# Altium PCB Ethernet2MilProtocolAdapter.PcbDoc (part 1 of 3) (continued)
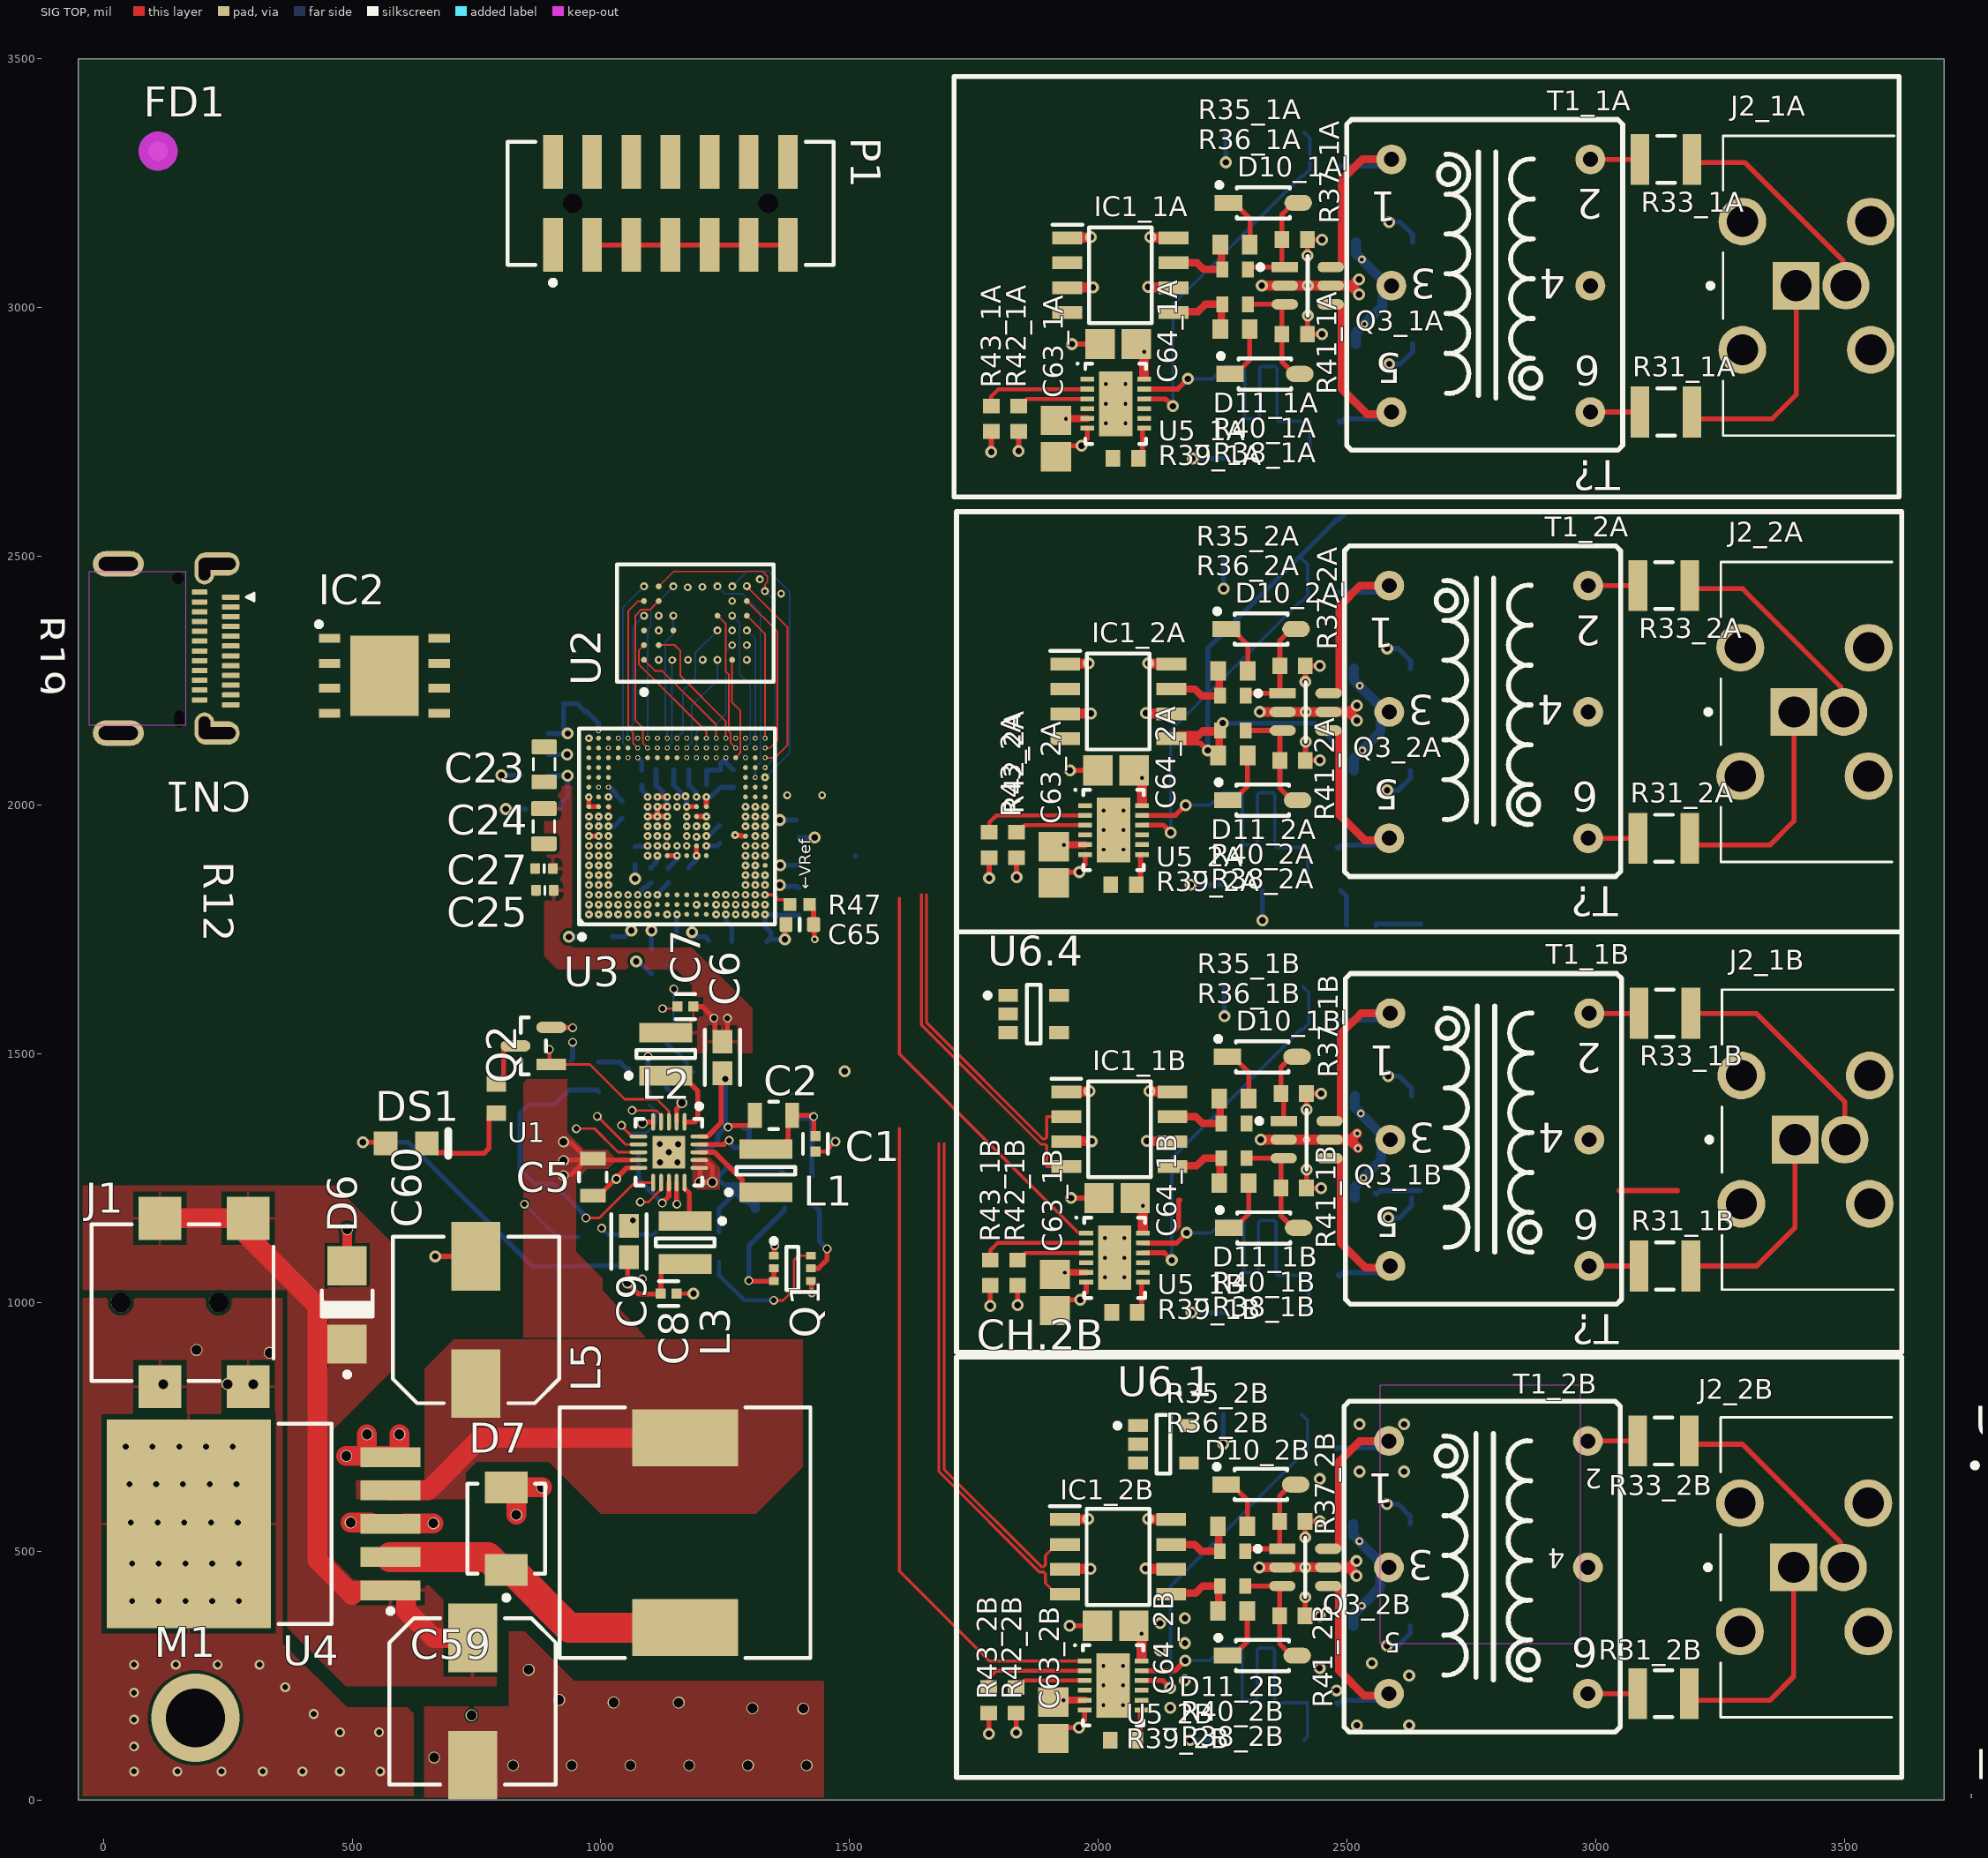
[diagram p0: SIG TOP view]
## Components (designator, comment, footprint, x,y, rotation, side; value= is the part's Value field where it differs from the comment) (continued)
C53 "Capacitor 4.7µF +/-20% 10V 0603" CAPC0603(1608)100_L 996.24,1735.1 r180 bottom value=4.7µF
C54 "Capacitor 4.7µF +/-20% 10V 0603" CAPC0603(1608)100_L 1102.14,1689.79 r270 bottom value=4.7µF
C55 "Capacitor 470nF +/-40% 10V 0402" CAPC0402(1005)60_L 1194.94,1844.21 r0 bottom value=470nF
C56 "Capacitor 470nF +/-40% 10V 0402" CAPC0402(1005)60_L 1068.6,1898.46 r90 bottom value=470nF
C57 "Capacitor 470nF +/-40% 10V 0402" CAPC0402(1005)60_L 1118.24,1844.54 r180 bottom value=470nF
C58 "Capacitor 470nF +/-40% 10V 0402" CAPC0402(1005)60_L 1118.19,1873.2 r180 bottom value=470nF
C59 "UUD1V101MNL1GS" NIC-CAPA2-8X10_V 742.28,197.72 r270 top
C60 "UUD0J102MNL1GS" NIC-CAPA2-8X10_V 748.99,964.82 r90 top
C61_1A "12105C335KAT2A" CAPC3325X279X50NL40T25 2575,3131.99 r180 bottom value=3.3µF (schematic designator C61)
C61_1B "12105C335KAT2A" CAPC3325X279X50NL40T25 2572.83,1415 r180 bottom value=3.3µF (schematic designator C61)
C61_2A "12105C335KAT2A" CAPC3325X279X50NL40T25 2570.68,2275 r180 bottom value=3.3µF (schematic designator C61)
C61_2B "12105C335KAT2A" CAPC3325X279X50NL40T25 2570,555 r180 bottom value=3.3µF (schematic designator C61)
C62_1A "12105C335KAT2A" CAPC3325X279X50NL40T25 2575,2926.99 r180 bottom value=3.3µF (schematic designator C62)
C62_1B "12105C335KAT2A" CAPC3325X279X50NL40T25 2572.83,1210 r180 bottom value=3.3µF (schematic designator C62)
C62_2A "12105C335KAT2A" CAPC3325X279X50NL40T25 2570.68,2070 r180 bottom value=3.3µF (schematic designator C62)
C62_2B "12105C335KAT2A" CAPC3325X279X50NL40T25 2570,350 r180 bottom value=3.3µF (schematic designator C62)
C63_1A "VJ0805Y104JXXAT" CAPC2013X145X48ML20T23 1915,2736.99 r90 top value=100nF (schematic designator C63)
C63_1B "VJ0805Y104JXXAT" CAPC2013X145X48ML20T23 1912.83,1020 r90 top value=100nF (schematic designator C63)
C63_2A "VJ0805Y104JXXAT" CAPC2013X145X48ML20T23 1910.68,1880 r90 top value=100nF (schematic designator C63)
C63_2B "VJ0805Y104JXXAT" CAPC2013X145X48ML20T23 1910,160 r90 top value=100nF (schematic designator C63)
C64_1A "VJ0805Y104JXXAT" CAPC2013X145X48ML20T23 2040,2926.99 r0 top value=100nF (schematic designator C64)
C64_1B "VJ0805Y104JXXAT" CAPC2013X145X48ML20T23 2037.83,1210 r0 top value=100nF (schematic designator C64)
C64_2A "VJ0805Y104JXXAT" CAPC2013X145X48ML20T23 2035.68,2070 r0 top value=100nF (schematic designator C64)
C64_2B "VJ0805Y104JXXAT" CAPC2013X145X48ML20T23 2035,350 r0 top value=100nF (schematic designator C64)
C65 "Capacitor 4.7µF +/-20% 10V 0603" CAPC0603(1608)100_L 1400,1760 r180 top value=4.7µF
CN1 "DX07S024JJ3R1300" JAE-DX07S024JJ3_V 150,2315 r270 top
D1 "1SMB5913BT3G" ONSC-SMB-2-403A-03_H_V 6160,1885 r0 top
D2 "1SMB5913BT3G" ONSC-SMB-2-403A-03_H_V 6480,1885 r0 top
D3 "1SMB5913BT3G" ONSC-SMB-2-403A-03_H_V 6800,1885 r0 top
D4 "1SMB5913BT3G" ONSC-SMB-2-403A-03_H_V 7120,1885 r0 top
D5 "HSMG-C191" FP-HSMG-C191-MFG 8660,1835 r0 top
D6 "1SMA5927BT3G" ONSC-SMA-2-403D-02_F_V 490,995 r90 top
D7 "STPS3L60U" FP-SMB-MFG 810,545 r90 top
D8_1A "SZ1SMA5932BT3G" ONSC-SMA-2-403D-02_F_V 2340,2696.99 r180 bottom (schematic designator D8)
D8_1B "SZ1SMA5932BT3G" ONSC-SMA-2-403D-02_F_V 2337.83,980 r180 bottom (schematic designator D8)
D8_2A "SZ1SMA5932BT3G" ONSC-SMA-2-403D-02_F_V 2335.68,1840 r180 bottom (schematic designator D8)
D8_2B "SZ1SMA5932BT3G" ONSC-SMA-2-403D-02_F_V 2335,120 r180 bottom (schematic designator D8)
D9_1A "SZ1SMA5932BT3G" ONSC-SMA-2-403D-02_F_V 2335,3351.99 r180 bottom (schematic designator D9)
D9_1B "SZ1SMA5932BT3G" ONSC-SMA-2-403D-02_F_V 2332.83,1635 r180 bottom (schematic designator D9)
D9_2A "SZ1SMA5932BT3G" ONSC-SMA-2-403D-02_F_V 2330.68,2495 r180 bottom (schematic designator D9)
D9_2B "SZ1SMA5932BT3G" ONSC-SMA-2-403D-02_F_V 2330,775 r180 bottom (schematic designator D9)
D10_1A "MBR0520LT1G" FP-425-04-IPC_A 2331.85,3210.99 r0 top (schematic designator D10)
D10_1B "MBR0520LT1G" FP-425-04-IPC_A 2329.68,1494 r0 top (schematic designator D10)
D10_2A "MBR0520LT1G" FP-425-04-IPC_A 2327.53,2354 r0 top (schematic designator D10)
D10_2B "MBR0520LT1G" FP-425-04-IPC_A 2326.85,634 r0 top (schematic designator D10)
D11_1A "MBR0520LT1G" FP-425-04-IPC_A 2335,2866.99 r0 top (schematic designator D11)
D11_1B "MBR0520LT1G" FP-425-04-IPC_A 2332.83,1150 r0 top (schematic designator D11)
D11_2A "MBR0520LT1G" FP-425-04-IPC_A 2330.68,2010 r0 top (schematic designator D11)
D11_2B "MBR0520LT1G" FP-425-04-IPC_A 2330,290 r0 top (schematic designator D11)
DS1 "HSMG-C170" AVAG-HSMX-C170_V 608.66,1320 r0 top
FD1 "FID1X2R" FID1X2R 110,3315 r0 top
IC1_1A "UCC27624DR" SOIC127P600X175-8N 2044.69,3065.42 r0 top (schematic designator IC1)
IC1_1B "UCC27624DR" SOIC127P600X175-8N 2042.52,1348.43 r0 top (schematic designator IC1)
IC1_2A "UCC27624DR" SOIC127P600X175-8N 2040.36,2208.43 r0 top (schematic designator IC1)
IC1_2B "UCC27624DR" SOIC127P600X175-8N 2039.69,488.43 r0 top (schematic designator IC1)
IC2 "IS25LP032D-JKLE" SON127P600X500X80-9N-D 565,2260 r0 top
J1 "694102107102" 694102107102 159.01,1000 r270 top
J2_1A "CBBJR79A" CBBJR79A_MFG 3856,3044.39 r180 top (schematic designator J2)
J2_1B "CBBJR79A" CBBJR79A_MFG 3853.83,1327.4 r180 top (schematic designator J2)
J2_2A "CBBJR79A" CBBJR79A_MFG 3851.68,2187.4 r180 top (schematic designator J2)
J2_2B "CBBJR79A" CBBJR79A_MFG 3851,467.4 r180 top (schematic designator J2)
L1 "SRN3015-1R5Y" BOUR-SRN3015-2_V#1 1332.07,1264.79 r90 top
L2 "SRN3015-3R3M" BOUR-SRN3015-2_V#2 1130.88,1499.39 r90 top
L3 "SRN3015-2R2M" BOUR-SRN3015-2_V#1 1169.48,1120.65 r270 top
L4 "SRN3015-3R3M" BOUR-SRN3015-2_V#1 6725,1065 r0 top
L5 "SRR1280-330M" FP-SRR1280-MFG 1169.53,537.24 r90 top
M1 "Mount3mm" Mount3mm-Footprint-1 185,165 r0 top
NT1 "NetTieSMD_2Line" NetTieSMD_2Line-Footprint-1 6035,1005 r90 top net-tie
NT2 "NetTieSMD_2Line" NetTieSMD_2Line-Footprint-1 6035,5 r90 top net-tie
P1 "878321420" MOLX-878321420_V 1140,3210 r0 top
Q1 "SMBT3904DW1T1G" ONSC-SOT-363-6-419B-02_W_V 1385.16,1068.59 r0 top
Q2 "BSS138" FP-318-08-IPC_B 864.49,1515.78 r180 top
Q3_1A "SI3932DV-T1-GE3" FP-C-06593-6-IPC_B 2421.09,3044.39 r0 top (schematic designator Q3)
Q3_1B "SI3932DV-T1-GE3" FP-C-06593-6-IPC_B 2418.92,1327.4 r0 top (schematic designator Q3)
Q3_2A "SI3932DV-T1-GE3" FP-C-06593-6-IPC_B 2416.76,2187.4 r0 top (schematic designator Q3)
Q3_2B "SI3932DV-T1-GE3" FP-C-06593-6-IPC_B 2416.09,467.4 r0 top (schematic designator Q3)
R1 "ERJ-3GEYJ303V" RESC1608X55X30LL15T15#1 1381.45,1394.72 r270 bottom
R2 "ERJ1GNF1203C" RESC0603X26X15LL03T05 375,1650.83 r90 bottom
R3 "RK73H1JTTD1503F" RESC1608X55X30LL20T10 1522.7,1799.42 r90 bottom
R4 "ERJ1GNF1203C" RESC0603X26X15LL03T05 1097.01,1408.79 r90 bottom
R5 "ERJ-3GEYJ184V" RESC1608X55X30ML15T15 1040.03,1107.63 r270 bottom
R6 "ERJ-3EKF5762V" RESC1608X55X30ML15T15 1485,1361.46 r90 bottom
R7 "RC0603JR-070RL" RESC1608X55X25ML10T15 1340,1190 r180 bottom
R8 "RC0603JR-070RL" RESC1608X55X25ML10T15 1237.36,1112.54 r90 bottom
R9 "RC0603JR-070RL" RESC1608X55X25ML10T15 995.37,1453.9 r270 bottom
R10 "RC0603JR-070RL" RESC1608X55X25NL10T15 1130.8,1491.73 r270 bottom
R11 "RC0603JR-070RL" RESC1608X55X25ML10T15 954.57,1102.3 r90 bottom
R12 "RC0603JR-070RL" RESC1608X55X25ML10T15 790,1410 r90 top
R13 "RC0603JR-070RL" RESC1608X55X25ML10T15 940.18,1456.84 r90 bottom
R14 "RC0603JR-070RL" RESC1608X55X25NL10T15 665,1555 r270 bottom
R15 "RC0603JR-070RL" RESC1608X55X25ML10T15 1425,1225 r90 bottom
R16 "RC0603FR-0749R9L" RESC1608X55X25NL10T15 6475,1535 r0 top value="49.9 Ω"
R17 "ERJ-3EKF4701V" RESC1608X55X30LL15T15#2 -231.59,2297.23 r90 top value=4.7k
R18 "ERJ-3EKF4701V" RESC1608X55X30LL15T15#2 -410,1740 r90 top value=4.7k
R19 "ERJ-3EKF2200V" RESC1608X55X30LL15T15#2 -215.08,2366.3 r0 top
R20 "ERJ-3EKF1000V" RESC1608X55X30LL15T15#1 10380,1845 r90 top value="100 Ω"
R21 "ERJ-3EKF4701V" RESC1608X55X30LL15T15#2 6725,1305 r90 top value=4.7k
R22 "ERJ-3EKF4701V" RESC1608X55X30LL15T15#2 6945,1305 r90 top value=4.7k
R23 "ERJ-3EKF4701V" RESC1608X55X30LL15T15#2 7165,1305 r90 top value=4.7k
R24 "ERJ-3EKF1000V" RESC1608X55X30LL15T15#1 11465,1845 r90 top value="100 Ω"
R25 "ERJ-3EKF1000V" RESC1608X55X30LL15T15#1 11695,1845 r90 top value="100 Ω"
R26 "ERJ-3EKF1000V" RESC1608X55X30LL15T15#1 9690,1845 r90 top value="100 Ω"
R27 "ERJ-3EKF1000V" RESC1608X55X30LL15T15#1 6495,1305 r90 top
R28 "ERJ-3EKF4701V" RESC1608X55X30LL15T15#2 6055,1305 r90 top value=4.7k
R29 "ERJ-3EKF4701V" RESC1608X55X30LL15T15#2 6265,1305 r90 top value=4.7k
R30 "ERJ-3EKF4701V" RESC1608X55X30LL15T15#2 11075,1850 r90 top value=4.7k
R31_1A "RES_0.75ohm_1W _1210" RESC3125X70X40LL20T20 3141.32,2790.39 r0 top value=0.75 (schematic designator R31)
R31_1B "RES_0.75ohm_1W _1210" RESC3125X70X40LL20T20 3139.16,1073.4 r0 top value=0.75 (schematic designator R31)
R31_2A "RES_0.75ohm_1W _1210" RESC3125X70X40LL20T20 3137,1933.4 r0 top value=0.75 (schematic designator R31)
R31_2B "RES_0.75ohm_1W _1210" RESC3125X70X40LL20T20 3136.32,213.4 r0 top value=0.75 (schematic designator R31)
R32_1A "Resistor 0R +/- 5% 0603 100 mW" RESC1608X55X25ML10T15 2455,2771.99 r0 bottom value=0 (schematic designator R32)
R32_1B "Resistor 0R +/- 5% 0603 100 mW" RESC1608X55X25ML10T15 2452.83,1055 r0 bottom value=0 (schematic designator R32)
R32_2A "Resistor 0R +/- 5% 0603 100 mW" RESC1608X55X25ML10T15 2450.68,1915 r0 bottom value=0 (schematic designator R32)
R32_2B "Resistor 0R +/- 5% 0603 100 mW" RESC1608X55X25ML10T15 2450,195 r0 bottom value=0 (schematic designator R32)
R33_1A "RES_0.75ohm_1W _1210" RESC3125X70X40LL20T20 3141.32,3298.39 r0 top value=0.75 (schematic designator R33)
R33_1B "RES_0.75ohm_1W _1210" RESC3125X70X40LL20T20 3139.16,1581.4 r0 top value=0.75 (schematic designator R33)
R33_2A "RES_0.75ohm_1W _1210" RESC3125X70X40LL20T20 3137,2441.4 r0 top value=0.75 (schematic designator R33)
R33_2B "RES_0.75ohm_1W _1210" RESC3125X70X40LL20T20 3136.32,721.4 r0 top value=0.75 (schematic designator R33)
R34_1A "Resistor 0R +/- 5% 0603 100 mW" RESC1608X55X25ML10T15 2455,3281.99 r0 bottom value=0 (schematic designator R34)
R34_1B "Resistor 0R +/- 5% 0603 100 mW" RESC1608X55X25ML10T15 2452.83,1565 r0 bottom value=0 (schematic designator R34)
R34_2A "Resistor 0R +/- 5% 0603 100 mW" RESC1608X55X25ML10T15 2450.68,2425 r0 bottom value=0 (schematic designator R34)
R34_2B "Resistor 0R +/- 5% 0603 100 mW" RESC1608X55X25ML10T15 2450,705 r0 bottom value=0 (schematic designator R34)
R35_1A "Resistor 0R +/- 5% 0603 100 mW" RESC1608X55X25ML10T15 2275,3126.99 r0 top value=0 (schematic designator R35)
R35_1B "Resistor 0R +/- 5% 0603 100 mW" RESC1608X55X25ML10T15 2272.83,1410 r0 top value=0 (schematic designator R35)
R35_2A "Resistor 0R +/- 5% 0603 100 mW" RESC1608X55X25ML10T15 2270.68,2270 r0 top value=0 (schematic designator R35)
R35_2B "Resistor 0R +/- 5% 0603 100 mW" RESC1608X55X25ML10T15 2270,550 r0 top value=0 (schematic designator R35)
R36_1A "RC0603FR-0722RL" RESC1608X55X25LL10T15 2275,3076.99 r0 top value=22 (schematic designator R36)
R36_1B "RC0603FR-0722RL" RESC1608X55X25LL10T15 2272.83,1360 r0 top value=22 (schematic designator R36)
R36_2A "RC0603FR-0722RL" RESC1608X55X25LL10T15 2270.68,2220 r0 top value=22 (schematic designator R36)
R36_2B "RC0603FR-0722RL" RESC1608X55X25LL10T15 2270,500 r0 top value=22 (schematic designator R36)
R37_1A "ERJ-3EKF4701V" RESC1608X55X30LL15T15#2 2395,3136.99 r180 top value=4.7k (schematic designator R37)
R37_1B "ERJ-3EKF4701V" RESC1608X55X30LL15T15#2 2392.83,1420 r180 top value=4.7k (schematic designator R37)
R37_2A "ERJ-3EKF4701V" RESC1608X55X30LL15T15#2 2390.68,2280 r180 top value=4.7k (schematic designator R37)
R37_2B "ERJ-3EKF4701V" RESC1608X55X30LL15T15#2 2390,560 r180 top value=4.7k (schematic designator R37)
R38_1A "Resistor 0R +/- 5% 0603 100 mW" RESC1608X55X25ML10T15 2275,2956.99 r0 top value=0 (schematic designator R38)
R38_1B "Resistor 0R +/- 5% 0603 100 mW" RESC1608X55X25ML10T15 2272.83,1240 r0 top value=0 (schematic designator R38)
R38_2A "Resistor 0R +/- 5% 0603 100 mW" RESC1608X55X25ML10T15 2270.68,2100 r0 top value=0 (schematic designator R38)
R38_2B "Resistor 0R +/- 5% 0603 100 mW" RESC1608X55X25ML10T15 2270,380 r0 top value=0 (schematic designator R38)
R39_1A "ERJ-3EKF4701V" RESC1608X55X30LL15T15#2 2055,2696.99 r180 top value=4.7k (schematic designator R39)
R39_1B "ERJ-3EKF4701V" RESC1608X55X30LL15T15#2 2052.83,980 r180 top value=4.7k (schematic designator R39)
R39_2A "ERJ-3EKF4701V" RESC1608X55X30LL15T15#2 2050.68,1840 r180 top value=4.7k (schematic designator R39)
R39_2B "ERJ-3EKF4701V" RESC1608X55X30LL15T15#2 2050,120 r180 top value=4.7k (schematic designator R39)
R40_1A "RC0603FR-0722RL" RESC1608X55X25LL10T15 2275,3006.99 r0 top value=22 (schematic designator R40)
R40_1B "RC0603FR-0722RL" RESC1608X55X25LL10T15 2272.83,1290 r0 top value=22 (schematic designator R40)
R40_2A "RC0603FR-0722RL" RESC1608X55X25LL10T15 2270.68,2150 r0 top value=22 (schematic designator R40)
R40_2B "RC0603FR-0722RL" RESC1608X55X25LL10T15 2270,430 r0 top value=22 (schematic designator R40)
R41_1A "ERJ-3EKF4701V" RESC1608X55X30LL15T15#2 2395,2946.99 r180 top value=4.7k (schematic designator R41)
R41_1B "ERJ-3EKF4701V" RESC1608X55X30LL15T15#2 2392.83,1230 r180 top value=4.7k (schematic designator R41)
R41_2A "ERJ-3EKF4701V" RESC1608X55X30LL15T15#2 2390.68,2090 r180 top value=4.7k (schematic designator R41)
R41_2B "ERJ-3EKF4701V" RESC1608X55X30LL15T15#2 2390,370 r180 top value=4.7k (schematic designator R41)
R42_1A "ERJ-3EKF4701V" RESC1608X55X30LL15T15#2 1840,2776.99 r90 top value=4.7k (schematic designator R42)
R42_1B "ERJ-3EKF4701V" RESC1608X55X30LL15T15#2 1837.83,1060 r90 top value=4.7k (schematic designator R42)
R42_2A "ERJ-3EKF4701V" RESC1608X55X30LL15T15#2 1835.68,1920 r90 top value=4.7k (schematic designator R42)
R42_2B "ERJ-3EKF4701V" RESC1608X55X30LL15T15#2 1835,200 r90 top value=4.7k (schematic designator R42)
R43_1A "ERJ-3EKF4701V" RESC1608X55X30LL15T15#2 1785,2776.99 r270 top value=4.7k (schematic designator R43)
R43_1B "ERJ-3EKF4701V" RESC1608X55X30LL15T15#2 1782.83,1060 r270 top value=4.7k (schematic designator R43)
R43_2A "ERJ-3EKF4701V" RESC1608X55X30LL15T15#2 1780.68,1920 r270 top value=4.7k (schematic designator R43)
R43_2B "ERJ-3EKF4701V" RESC1608X55X30LL15T15#2 1780,200 r270 top value=4.7k (schematic designator R43)
R44 "ERA-2AEB470X" RESC1005X40X25LL10T10 -200,2091.73 r180 top value=47
R45 "ERA-2AEB470X" RESC1005X40X25LL10T10 -200,1631.73 r180 top value=47
R46 "ERA-2AEB470X" RESC1005X40X25LL10T10 -200,1861.73 r180 top value=47
R47 "NetTieSMD_2Line" NetTieSMD_2Line-Footprint-1 3755,5 r90 top net-tie
R47 "Resistor 1k +/-1% 0402 100 mW" RESC1005X40X25ML05T05 1400,1800 r180 top net-tie value="0 OOhm"
R49 "ERA-2AEB470X" RESC1005X40X25LL10T10 -200,1401.73 r180 top value=47
R50 "ERA-2AEB470X" RESC1005X40X25LL10T10 -200,961.73 r180 top value=47
R51 "ERA-2AEB470X" RESC1005X40X25LL10T10 -200,1191.73 r180 top value=47
R52 "ERA-2AEB470X" RESC1005X40X25LL10T10 -200,731.73 r180 top value=47
R53 "ERA-2AEB470X" RESC1005X40X25LL10T10 -200,271.73 r180 top value=47
R54 "ERA-2AEB470X" RESC1005X40X25LL10T10 -200,501.73 r180 top value=47
R55 "ERA-2AEB470X" RESC1005X40X25LL10T10 -200,41.73 r180 top value=47
R56 "ERA-2AEB470X" RESC1005X40X25LL10T10 6045,35 r90 top value=47
R57 "ERA-2AEB470X" RESC1005X40X25LL10T10 -200,-188.27 r180 top value=47
R58 "ERA-2AEB470X" RESC1005X40X25LL10T10 -200,271.73 r180 top value=47
R59 "ERA-2AEB470X" RESC1005X40X25LL10T10 6971.77,390 r90 top value=47
R60 "ERA-2AEB470X" RESC1005X40X25LL10T10 -200,-188.27 r180 top value=47
R61 "ERA-2AEB470X" RESC1005X40X25LL10T10 6045,35 r90 top value=47
T1_1A "Q1553-22" "New footprint 1" 2589.32,3298.39 r270 top (schematic designator T1)
T1_1B "Q1553-22" "New footprint 1" 2587.16,1581.4 r270 top (schematic designator T1)
T1_2A "Q1553-22" "New footprint 1" 2585,2441.4 r270 top (schematic designator T1)
T1_2B "Q1553-22" "New footprint 1" 2584.32,721.4 r270 top (schematic designator T1)
U1 "LTC3569EUD#TRPBF" LT-UD-20_M 1136.81,1302.08 r270 top
U2 "IS61WV5128BLL-10BLI" FP-IS61WV5128BLL-10BLI-IPC_A 1190.15,2366.01 r90 top
U3 "XC7A35T-1CPG236C" CPG236 1153.05,1957.45 r90 top locked
U4 "LM2576D2TR4-5G" ONSC-D2PAK-5-936A-02_V 320.97,555.05 r180 top
U5_1A "LTC2865IDE#PBF" LT-DE-UE-12_V 2035,2806.99 r0 top (schematic designator U5)
U5_1B "LTC2865IDE#PBF" LT-DE-UE-12_V 2032.83,1090 r0 top (schematic designator U5)
U5_2A "LTC2865IDE#PBF" LT-DE-UE-12_V 2030.68,1950 r0 top (schematic designator U5)
U5_2B "LTC2865IDE#PBF" LT-DE-UE-12_V 2030,230 r0 top (schematic designator U5)
U6.1 "MIC5504-3.3YM5-TR" FP-SOT23-5LD-PL-1-MFG 2131.18,715 r0 top (schematic designator U6)
U6.2 "MIC5504-3.3YM5-TR" FP-SOT23-5LD-PL-1-MFG 3990,265 r0 top (schematic designator U6)
U6.3 "MIC5504-3.3YM5-TR" FP-SOT23-5LD-PL-1-MFG 3855,635 r0 top (schematic designator U6)
U6.4 "MIC5504-3.3YM5-TR" FP-SOT23-5LD-PL-1-MFG 1870,1580 r0 top (schematic designator U6)
Y1 "ASDM1-12.000MHZ-LC-T" FP-ASDM-ASDMB-MFG 6655,1585 r0 top

## Footprints (in the part's own frame and the unit in brackets; to place one, negate y for a bottom-side part, rotate by r counter-clockwise, add the part's x,y. Pads: shape width x height; smd on the part's side, far side on the other; paste and mask are expansions set on the pad)
694102107102 [mm] "DC Power Jack Right Angled Low Profile SMT ?3.9 with 4 soldering pads & pegs"
  rect 2.2x2.2 smd: 1(-4.3,3.35) 1(-4.3,-1.15) 2(4.3,-1.15) 3(4.3,3.35)
  round 1 hole 1 unplated: MH1(0,1.85) MH2(0,-3.15)
  silkscreen extent -4,-4.65 4,4.65, body extent -4.9,-4.65 4.9,4.65, height 5.32
AVAG-HSMX-C170_V [mm] "SMD, 2-Leads, Body 2x1.25mm, Height 0.8mm"
  rect 1.2x1.2 smd: 1(-1.05,0) 2(1.05,0)
  silkscreen extent 2.15,-0.62 2.15,0.62, body extent -1,-0.63 1,0.63, height 0.8
BOUR-SRN3015-2_V#1 [mm] "SMD, 2-Leads, Body 3x3mm, Height 1.5mm"
  rect 1x2.7 smd: 1(-1.1,0) 2(1.1,0)
  silkscreen extent -1.22,-1.5 0.2,2.02, body extent -1.5,-1.5 1.5,1.5, height 1.5
BOUR-SRN3015-2_V#2 [mm] "SMD, 2-Leads, Body 3x3mm, Height 1.5mm"
  rect 1x2.7 smd: 1(-1.1,0)
  rect 1x2.7 smd paste-2539.97: 2(1.1,0)
  silkscreen extent -1.22,-1.5 0.2,2.02, body extent -1.5,-1.5 1.5,1.5, height 1.5
CAPC0402(1005)60_L [mm] "Chip Capacitor, Body 1.0x0.5mm, Height 0.6mm, IPC High Density"
  rrect25% 0.5x0.55 smd: 1(-0.45,0) 2(0.45,0)
  silkscreen extent 0,-0.2 0,0.2, body extent -0.5,-0.25 0.5,0.25, height 0.6
CAPC0603(1608)100_L [mm] "Chip Capacitor, Body 1.6x0.8mm, Height 1.0mm, IPC High Density"
  rrect25% 0.66x0.76 smd: 1(-0.7,0) 2(0.7,0)
  silkscreen extent 0,-0.3 0,0.3, body extent -0.8,-0.4 0.8,0.4, height 0.95
CAPC0805(2012)145_L [mm] "Chip Capacitor, Body 2.0x1.2mm, Height 1.45mm, IPC High Density"
  rrect25% 0.76x1.3 smd: 1(-0.9,0) 2(0.89,0)
  silkscreen extent -0.3,-0.55 0.3,0.55, body extent -1,-0.6 1,0.6, height 1.45
CAPC2013X145X48ML20T23 [mm] "Chip Capacitor, 2-Leads, Body 2.00x1.25mm, IPC Low Density"
  rect 1.5x1.55 smd: 1(-0.925,0) 2(0.925,0)
  body extent -1.1,-0.72 1.1,0.72, height 1.45
CAPC3325X279X50NL40T25 [mm] "Chip Capacitor, 2-Leads, Body 3.70x2.70mm, IPC Medium Density"
  rect 1.5x2.7 smd: 1(-1.45,0) 2(1.45,0)
  silkscreen extent -0.3,-1.25 0.3,1.25, body extent -1.85,-1.35 1.85,1.35, height 2.79
CBBJR79A_MFG [mil] "Recommended Land Pattern"
  rect 94.09x95.96 hole 62.5: 1(453,0)
  rrect100% 94.09x95.96 hole 62.5: 2(353,0)
  round 95.96 hole 62.5: 3(303,129) 4(561,129) 5(303,-129) 6(561,-129)
  silkscreen extent 256,-302 630,301, body extent -604,-305 613,305, height 10
CPG236 [mm] "BGA, 238-Ball, Body 10x10mm,Pitch 0.5mm"
  round 0.25 smd: A1(-4.5,4.5) A2(-4,4.5) A3(-3.5,4.5) A4(-3,4.5) A5(-2.5,4.5) A6(-2,4.5) A7(-1.5,4.5) A8(-1,4.5) A9(-0.5,4.5) A10(0,4.5) A11(0.5,4.5) A12(1,4.5) A13(1.5,4.5) A14(2,4.5) A15(2.5,4.5) A16(3,4.5) A17(3.5,4.5) A18(4,4.5) A19(4.5,4.5) B1(-4.5,4) B2(-4,4) B3(-3.5,4) B4(-3,4) B5(-2.5,4) B6(-2,4) B7(-1.5,4) B8(-1,4) B9(-0.5,4) B10(0,4) B11(0.5,4) B12(1,4) B13(1.5,4) B14(2,4) B15(2.5,4) B16(3,4) B17(3.5,4) B18(4,4) B19(4.5,4) C1(-4.5,3.5) C2(-4,3.5) C3(-3.5,3.5) C4(-3,3.5) C5(-2.5,3.5) C6(-2,3.5) C7(-1.5,3.5) C8(-1,3.5) C9(-0.5,3.5) C10(0,3.5) C11(0.5,3.5) C12(1,3.5) C13(1.5,3.5) C14(2,3.5) C15(2.5,3.5) C16(3,3.5) C17(3.5,3.5) C18(4,3.5) C19(4.5,3.5) D1(-4.5,3) D2(-4,3) D3(-3.5,3) D17(3.5,3) D18(4,3) D19(4.5,3) E1(-4.5,2.5) E2(-4,2.5) E3(-3.5,2.5) E17(3.5,2.5) E18(4,2.5) E19(4.5,2.5) F1(-4.5,2) F2(-4,2) F3(-3.5,2) F17(3.5,2) F18(4,2) F19(4.5,2) G1(-4.5,1.5) G2(-4,1.5) G3(-3.5,1.5) G7(-1.5,1.5) G8(-1,1.5) G9(-0.5,1.5) G10(0,1.5) G11(0.5,1.5) G12(1,1.5) G13(1.5,1.5) G17(3.5,1.5) G18(4,1.5) G19(4.5,1.5) H1(-4.5,1) H2(-4,1) H3(-3.5,1) H7(-1.5,1) H8(-1,1) H9(-0.5,1) H10(0,1) H11(0.5,1) H12(1,1) H13(1.5,1) H17(3.5,1) H18(4,1) H19(4.5,1) J1(-4.5,0.5) J2(-4,0.5) J3(-3.5,0.5) J7(-1.5,0.5) J8(-1,0.5) J9(-0.5,0.5) J10(0,0.5) J11(0.5,0.5) J12(1,0.5) J13(1.5,0.5) J17(3.5,0.5) J18(4,0.5) J19(4.5,0.5) K1(-4.5,0) K2(-4,0) K3(-3.5,0) K7(-1.5,0) K8(-1,0) K12(1,0) K13(1.5,0) K17(3.5,0) K18(4,0) K19(4.5,0) L1(-4.5,-0.5) L2(-4,-0.5) L3(-3.5,-0.5) L7(-1.5,-0.5) L8(-1,-0.5) L9(-0.5,-0.5) L10(0,-0.5) L11(0.5,-0.5) L12(1,-0.5) L13(1.5,-0.5) L17(3.5,-0.5) L18(4,-0.5) L19(4.5,-0.5) M1(-4.5,-1) M2(-4,-1) M3(-3.5,-1) M7(-1.5,-1) M8(-1,-1) M9(-0.5,-1) M10(0,-1) M11(0.5,-1) M12(1,-1) M13(1.5,-1) M17(3.5,-1) M18(4,-1) M19(4.5,-1) N1(-4.5,-1.5) N2(-4,-1.5) N3(-3.5,-1.5) N7(-1.5,-1.5) N8(-1,-1.5) N9(-0.5,-1.5) N10(0,-1.5) N11(0.5,-1.5) N12(1,-1.5) N13(1.5,-1.5) N17(3.5,-1.5) N18(4,-1.5) N19(4.5,-1.5) P1(-4.5,-2) P2(-4,-2) P3(-3.5,-2) P17(3.5,-2) P18(4,-2) P19(4.5,-2) R1(-4.5,-2.5) R2(-4,-2.5) R3(-3.5,-2.5) R17(3.5,-2.5) R18(4,-2.5) R19(4.5,-2.5) T1(-4.5,-3) T2(-4,-3) T3(-3.5,-3) T17(3.5,-3) T18(4,-3) T19(4.5,-3) U1(-4.5,-3.5) U2(-4,-3.5) U3(-3.5,-3.5) U4(-3,-3.5) U5(-2.5,-3.5) U6(-2,-3.5) U7(-1.5,-3.5) U8(-1,-3.5) U9(-0.5,-3.5) U10(0,-3.5) U11(0.5,-3.5) U12(1,-3.5) U13(1.5,-3.5) U14(2,-3.5) U15(2.5,-3.5) U16(3,-3.5) U17(3.5,-3.5) U18(4,-3.5) U19(4.5,-3.5) V1(-4.5,-4) V2(-4,-4) V3(-3.5,-4) V4(-3,-4) V5(-2.5,-4) V6(-2,-4) V7(-1.5,-4) V8(-1,-4) V9(-0.5,-4) V10(0,-4) V11(0.5,-4) V12(1,-4) V13(1.5,-4) V14(2,-4) V15(2.5,-4) V16(3,-4) V17(3.5,-4) V18(4,-4) V19(4.5,-4) W1(-4.5,-4.5) W2(-4,-4.5) W3(-3.5,-4.5) W4(-3,-4.5) W5(-2.5,-4.5) W6(-2,-4.5) W7(-1.5,-4.5) W8(-1,-4.5) W9(-0.5,-4.5) W10(0,-4.5) W11(0.5,-4.5) W12(1,-4.5) W13(1.5,-4.5) W14(2,-4.5) W15(2.5,-4.5) W16(3,-4.5) W17(3.5,-4.5) W18(4,-4.5) W19(4.5,-4.5)
  silkscreen extent -5.77,-5 5,5, body extent -5,-5 5,5, height 1.38
FID1X2R [mm] "Fiducial - Round 1x2mm"
  round 1 smd paste-0.5 mask+0.5: 0(0,0)
  SIG TOP keep-out circle w1: c0,0 r0.5
FP-318-08-IPC_B [mm]
  rect 1.524x0.578 smd paste+0 mask+0: 1(-0.91,0.95)
  rrect100% 1.524x0.578 smd paste+0 mask+0: 2(-0.91,-0.95) 3(0.91,0)
  silkscreen extent -0.65,-1.45 0.65,1.45, body extent -1.92,-1.7 1.92,1.7, height 0.25
FP-425-04-IPC_A [mm]
  rect 1.408x0.822 smd paste+0 mask+0: 1(-1.78,0)
  rrect100% 1.408x0.822 smd paste+0 mask+0: 2(1.78,0)
  silkscreen extent -2.37,-0.8 1.34,1.04, body extent -2.98,-1.3 2.98,1.3, height 0.25
FP-0603-L_1_6_0_1-W_0_8_0-MFG [mm]
  rect 0.7x0.7 smd paste+0 mask+0: 1(-0.7,0) 2(0.7,0)
  silkscreen extent -0.85,-0.75 0.85,0.75, body extent -1.15,-0.55 1.15,0.55, height 0.25
FP-ASDM-ASDMB-MFG [mm]
  rect 0.65x0.85 smd paste+0 mask+0: 1(-0.825,-0.775) 2(0.825,-0.775) 3(0.825,0.775) 4(-0.825,0.775)
  silkscreen extent -0.95,-1.9 0.13,1.02, body extent -1.38,-1.3 1.38,1.3, height 0.25
FP-C0402-BB-MFG [mm]
  rect 0.52x0.52 smd paste+0 mask+0: 1(-0.4,0) 2(0.4,0)
  silkscreen extent -0.5,-0.63 0.5,0.64, body extent -0.8,-0.4 0.8,0.4, height 0.25
FP-C-06593-6-IPC_B [mm]
  rect 1.348x0.526 smd paste+0 mask+0: 1(-1.171,0.95)
  rrect100% 1.348x0.526 smd paste+0 mask+0: 2(-1.171,0) 3(-1.171,-0.95) 4(1.171,-0.95) 5(1.171,0) 6(1.171,0.95)
  silkscreen extent -2.54,-1.52 0,1.53, body extent -2.09,-1.78 2.09,1.78, height 0.25
FP-CGA4J-IPC_A [mm]
  rect 0.956x1.556 smd paste+0 mask+0: 1(-1.175,0) 2(1.175,0)
  silkscreen extent -0.4,-0.78 0.4,0.78, body extent -2.15,-1.28 2.15,1.28, height 0.25
FP-GRM21B-0_15-MFG [mm]
  rect 0.7x1.3 smd paste+0 mask+0: 1(-0.95,0) 2(0.95,0)
  silkscreen extent -0.23,-0.7 0.22,0.7, body extent -1.4,-0.8 1.4,0.8, height 0.25
FP-GRM188-0_1-e0_2_0_55-IPC_A [mil]
  rect 47.57x39.85 smd paste+0 mask+0: 1(-31.57,0) 2(31.57,0)
  silkscreen extent -55,-36 55,36, body extent -75,-40 75,40, height 10
FP-HSMG-C191-MFG [mm]
  rect 0.8x0.8 smd paste+0 mask+0: 1(-0.75,0) 2(0.75,0)
  silkscreen extent -1.82,-0.78 0.85,0.78, body extent -1.25,-0.55 1.25,0.55, height 0.25
FP-IS61WV5128BLL-10BLI-IPC_A [mm]
  round 0.298 smd paste+0 mask+0: A1(-1.875,2.625) A2(-1.125,2.625) A3(-0.375,2.625) A4(0.375,2.625) A5(1.125,2.625) A6(1.875,2.625) B1(-1.875,1.875) B2(-1.125,1.875) B3(-0.375,1.875) B4(0.375,1.875) B5(1.125,1.875) B6(1.875,1.875) C1(-1.875,1.125) C3(-0.375,1.125) C4(0.375,1.125) C6(1.875,1.125) D1(-1.875,0.375) D6(1.875,0.375) E1(-1.875,-0.375) E6(1.875,-0.375) F1(-1.875,-1.125) F3(-0.375,-1.125) F4(0.375,-1.125) F6(1.875,-1.125) G1(-1.875,-1.875) G2(-1.125,-1.875) G3(-0.375,-1.875) G4(0.375,-1.875) G5(1.125,-1.875) G6(1.875,-1.875) H1(-1.875,-2.625) H2(-1.125,-2.625) H3(-0.375,-2.625) H4(0.375,-2.625) H5(1.125,-2.625) H6(1.875,-2.625)
  silkscreen extent -3.65,-4 3,4, body extent -3.5,-4.5 3.5,4.5, height 0.25
FP-SMB-MFG [mm]
  rect 1.62x2.18 smd paste+0 mask+0: 1(-2.11,0) 2(2.11,0)
  silkscreen extent -3.65,-1.98 2.3,1.98, body extent -3.02,-2.07 3.02,2.07, height 0.25
FP-SOT23-5LD-PL-1-MFG [mm]
  rect 1x0.66 smd paste+0 mask+0: 1(-1.3,0.95) 2(-1.3,0) 3(-1.3,-0.95) 4(1.3,-0.95) 5(1.3,0.95)
  silkscreen extent -2.47,-1.5 0.35,1.5, body extent -1.9,-1.6 1.9,1.6, height 0.25
FP-SRR1280-MFG [mm]
  rect 2.9x5.4 smd paste+0 mask+0: 1(-4.85,0) 2(4.85,0)
  silkscreen extent -6.4,-6.4 6.4,6.4, body extent -6.5,-6.5 6.5,6.5, height 0.25
JAE-DX07S024JJ3_V [mm] "THD, 24-Leads, Body 8.17x8.94mm, Pitch 0.5mm"
  oval 1.2x2.3 hole 0.6 slot 1.9 at 90 deg: 1(-4.32,2) 2(4.32,2)
  oval 1.5x1 hole 0.6 slot 1.1 at 0 deg: 1(-4.02,1.35) 2(4.02,1.35)
  oval 1.3x2.6 hole 0.7 slot 2 at 90 deg: 3(-4.32,-3.05) 4(4.32,-3.05)
  rrect25% 0.27x0.9 smd: A1(-2.625,2.7) A2(-2.125,2.7) A3(-1.625,2.7) A4(-1.125,2.7) A5(-0.625,2.7) A6(-0.125,2.7) A7(0.375,2.7) A8(0.875,2.7) A9(1.375,2.7) A10(1.875,2.7) A11(2.375,2.7) A12(2.875,2.7)
  rrect25% 0.27x0.8 smd: B1(2.625,1.1) B2(2.125,1.1) B3(1.625,1.1) B4(1.125,1.1) B5(0.625,1.1) B6(0.125,1.1) B7(-0.375,1.1) B8(-0.875,1.1) B9(-1.375,1.1) B10(-1.875,1.1) B11(-2.375,1.1) B12(-2.875,1.1)
  round 0 hole 0.6 unplated: H1(-3.6,0)
  round 0 hole 0.5 slot 0.85 at 0 deg unplated: H2(3.6,0.065)
  SIG TOP keep-out region: -3.9,-4.55 3.9,-4.55 3.9,0.4 -3.9,0.4
  silkscreen extent -2.83,3.49 -2.43,3.89, body extent -4.47,-5.35 4.47,2.8, height 3.16
LT-DE-UE-12_V [mm] "SON, 12-Leads, Body 4x3mm, Pitch 0.5mm, Thermal Pad 3.3x1.7mm"
  rect 0.7x0.25 smd: 1(-1.45,1.25) 2(-1.45,0.75) 3(-1.45,0.25) 4(-1.45,-0.25) 5(-1.45,-0.75) 6(-1.45,-1.25) 7(1.45,-1.25) 8(1.45,-0.75) 9(1.45,-0.25) 10(1.45,0.25) 11(1.45,0.75) 12(1.45,1.25)
  rect 1.7x3.3 smd: 13(0,0)
  silkscreen extent -2,-2.05 1.55,2.1, body extent -1.5,-2 1.5,2, height 0.8
LT-UD-20_M [mm] "QFN, 20-Leads, Body 3.1x3.1mm, Pitch 0.4mm, Thermal Pad 1.65x1.65mm, IPC Low Density"
  oval 0.9x0.2 smd: 1(-1.55,0.8) 2(-1.55,0.4) 3(-1.55,0) 4(-1.55,-0.4) 5(-1.55,-0.8) 11(1.55,-0.8) 12(1.55,-0.4) 13(1.55,0) 14(1.55,0.4) 15(1.55,0.8)
  oval 0.2x0.9 smd: 6(-0.8,-1.55) 7(-0.4,-1.55) 8(0,-1.55) 9(0.4,-1.55) 10(0.8,-1.55) 16(0.8,1.55) 17(0.4,1.55) 18(0,1.55) 19(-0.4,1.55) 20(-0.8,1.55)
  rect 1.65x1.65 smd: 21(0,0)
  silkscreen extent -2.47,-1.7 1.7,1.7, body extent -1.55,-1.55 1.55,1.55, height 0.8
MOLX-878321420_V [mm] "SMD, 14-Leads, Body 16.65x6.3mm, Pitch 2mm"
  rect 1x2.75 smd: 1(-6,-2.125) 2(-6,2.125) 3(-4,-2.125) 4(-4,2.125) 5(-2,-2.125) 6(-2,2.125) 7(0,-2.125) 8(0,2.125) 9(2,-2.125) 10(2,2.125) 11(4,-2.125) 12(4,2.125) 13(6,-2.125) 14(6,2.125)
  round 0.5 hole 1 unplated: MH1(-5,0) MH2(5,0)
  silkscreen extent -8.32,-4.17 8.33,3.15, body extent -8.32,-3.15 8.33,3.15, height 7.6
Mount3mm-Footprint-1 [mil]
  SIG TOP lines w1: -45,60 10,60
NetTieSMD_2Line-Footprint-1 [mil]
  round 3 smd paste-99999 mask+0: 1(0,0) 2(5,0)
  SIG TOP lines w1: 0.97,0.03 4.32,0.03
"New footprint 1" [mil]
  round 60 hole 30: 1(0,0) 2(0,400) 3(254,0) 4(254,400) 5(508,0) 6(508,400)
  silkscreen extent -80,-90 585,465
NIC-CAPA2-8X10_V [mm] "Aluminum Electrolytic Capacitor, Diameter 8mm, Height 10.8mm, Pitch 6.5mm"
  rect 3.5x2.5 smd: 1(-3.25,0) 2(3.25,0)
  silkscreen extent -4.25,-4.25 4.25,4.25, body extent -3.99,-3.97 3.99,4, height 10.8
ONSC-D2PAK-5-936A-02_V [mm] "DPAK, 5-Leads, Body 10.02x9.194mm, Pitch 1.702mm"
  rect 3.05x1.016 smd: 1(-6.505,3.4) 2(-6.505,1.7) 3(-6.505,0) 4(-6.505,-1.7) 5(-6.505,-3.4)
  rect 8.38x10.66 smd: 6(3.8,0)
  silkscreen extent -6.63,-5.12 -0.79,5.12, body extent -6.22,-5.01 7.98,5.01, height 4.57
ONSC-SMA-2-403D-02_F_V [mm] "Molded, 2-Leads, Body 4.32x2.6mm"
  rect 2x2 smd: 1(-2,0) 2(2,0)
  silkscreen extent -3.67,-1.3 0.74,1.3, body extent -2.16,-1.3 2.16,1.3, height 2.2
ONSC-SMB-2-403A-03_H_V [mil] "Molded, 2-Leads, Body 4.6x3.95mm"
  rect 85x107.99 smd: 1(-87.01,0) 2(87.01,0)
  silkscreen extent -125,-79 91,81, body extent -91,-78 91,78, height 95
ONSC-SOT-363-6-419B-02_W_V [mm] "SOT23, 6-Leads, Body 2x1.25mm, Pitch 0.65mm"
  rect 0.5x0.4 smd: 1(-0.95,0.65) 2(-0.95,0) 3(-0.95,-0.65) 4(0.95,-0.65) 5(0.95,0) 6(0.95,0.65)
  silkscreen extent -1.07,-1.1 0.3,1.52, body extent -0.63,-1 0.63,1, height 1.1
RESC0603X26X15LL03T05 [mm] "Chip Resistor, 2-Leads, Body 0.60x0.30mm, IPC High Density"
  rect 0.35x0.25 smd: 1(-0.275,0) 2(0.275,0)
  body extent -0.32,-0.16 0.31,0.17, height 0.26
RESC1005X40X25LL10T10 [mm] "Chip Resistor, 2-Leads, Body 1.00x0.50mm, IPC High Density"
  rect 0.55x0.5 smd: 1(-0.375,0) 2(0.375,0)
  body extent -0.55,-0.3 0.55,0.3, height 0.4
RESC1005X40X25ML05T05 [mm] "Chip Resistor, 2-Leads, Body 1.05x0.55mm, IPC Low Density"
  rect 0.65x0.65 smd: 1(-0.5,0) 2(0.5,0)
  body extent -0.53,-0.28 0.53,0.28, height 0.4
RESC1608X55X25LL10T15 [mm] "Chip Resistor, 2-Leads, Body 1.70x0.90mm, IPC High Density"
  rect 0.6x0.8 smd: 1(-0.65,0) 2(0.65,0)
  body extent -0.85,-0.45 0.85,0.45, height 0.55
RESC1608X55X25ML10T15 [mm] "Chip Resistor, 2-Leads, Body 1.60x0.80mm, IPC Low Density"
  rect 0.8x1 smd: 1(-0.75,0) 2(0.75,0)
  body extent -0.85,-0.45 0.85,0.45, height 0.55
RESC1608X55X25NL10T15 [mm] "Chip Resistor, 2-Leads, Body 1.70x0.90mm, IPC Medium Density"
  rect 0.7x0.9 smd: 1(-0.7,0) 2(0.7,0)
  body extent -0.85,-0.45 0.85,0.45, height 0.55
RESC1608X55X30LL15T15#1 [mm] "Chip Resistor, 2-Leads, Body 1.60x0.80mm, IPC High Density"
  rect 0.7x0.85 smd: 1(-0.625,0) 2(0.625,0)
  body extent -0.87,-0.48 0.87,0.48, height 0.55
RESC1608X55X30LL15T15#2 [mm] "Chip Resistor, 2-Leads, Body 1.75x0.95mm, IPC High Density"
  rect 0.75x0.85 smd: 1(-0.65,0) 2(0.65,0)
  body extent -0.87,-0.48 0.87,0.48, height 0.55
RESC1608X55X30LL20T10 [mm] "Chip Resistor, 2-Leads, Body 1.60x0.80mm, IPC High Density"
  rect 0.7x0.9 smd: 1(-0.65,0) 2(0.65,0)
  body extent -0.9,-0.5 0.9,0.5, height 0.55
RESC1608X55X30ML15T15 [mm] "Chip Resistor, 2-Leads, Body 1.60x0.80mm, IPC Low Density"
  rect 0.9x1.05 smd: 1(-0.725,0) 2(0.725,0)
  body extent -0.87,-0.48 0.87,0.48, height 0.55
RESC3125X70X40LL20T20 [mm] "Chip Resistor, 2-Leads, Body 3.10x2.50mm, IPC High Density"
  rect 0.95x2.6 smd: 1(-1.325,0) 2(1.325,0)
  silkscreen extent -0.45,-1.2 0.45,1.2, body extent -1.65,-1.35 1.65,1.35, height 0.7